# Altium PCB TruthEar.PcbDoc (part 2 of 2)
Units mm, origin at the board's own origin, x right, y up, seen from the top; angles counter-clockwise.
Board outline 104 x 110 mm, 2 copper layers (Top Layer, Bottom Layer); 142 components, 101 nets, 592 pads, 313 vias.
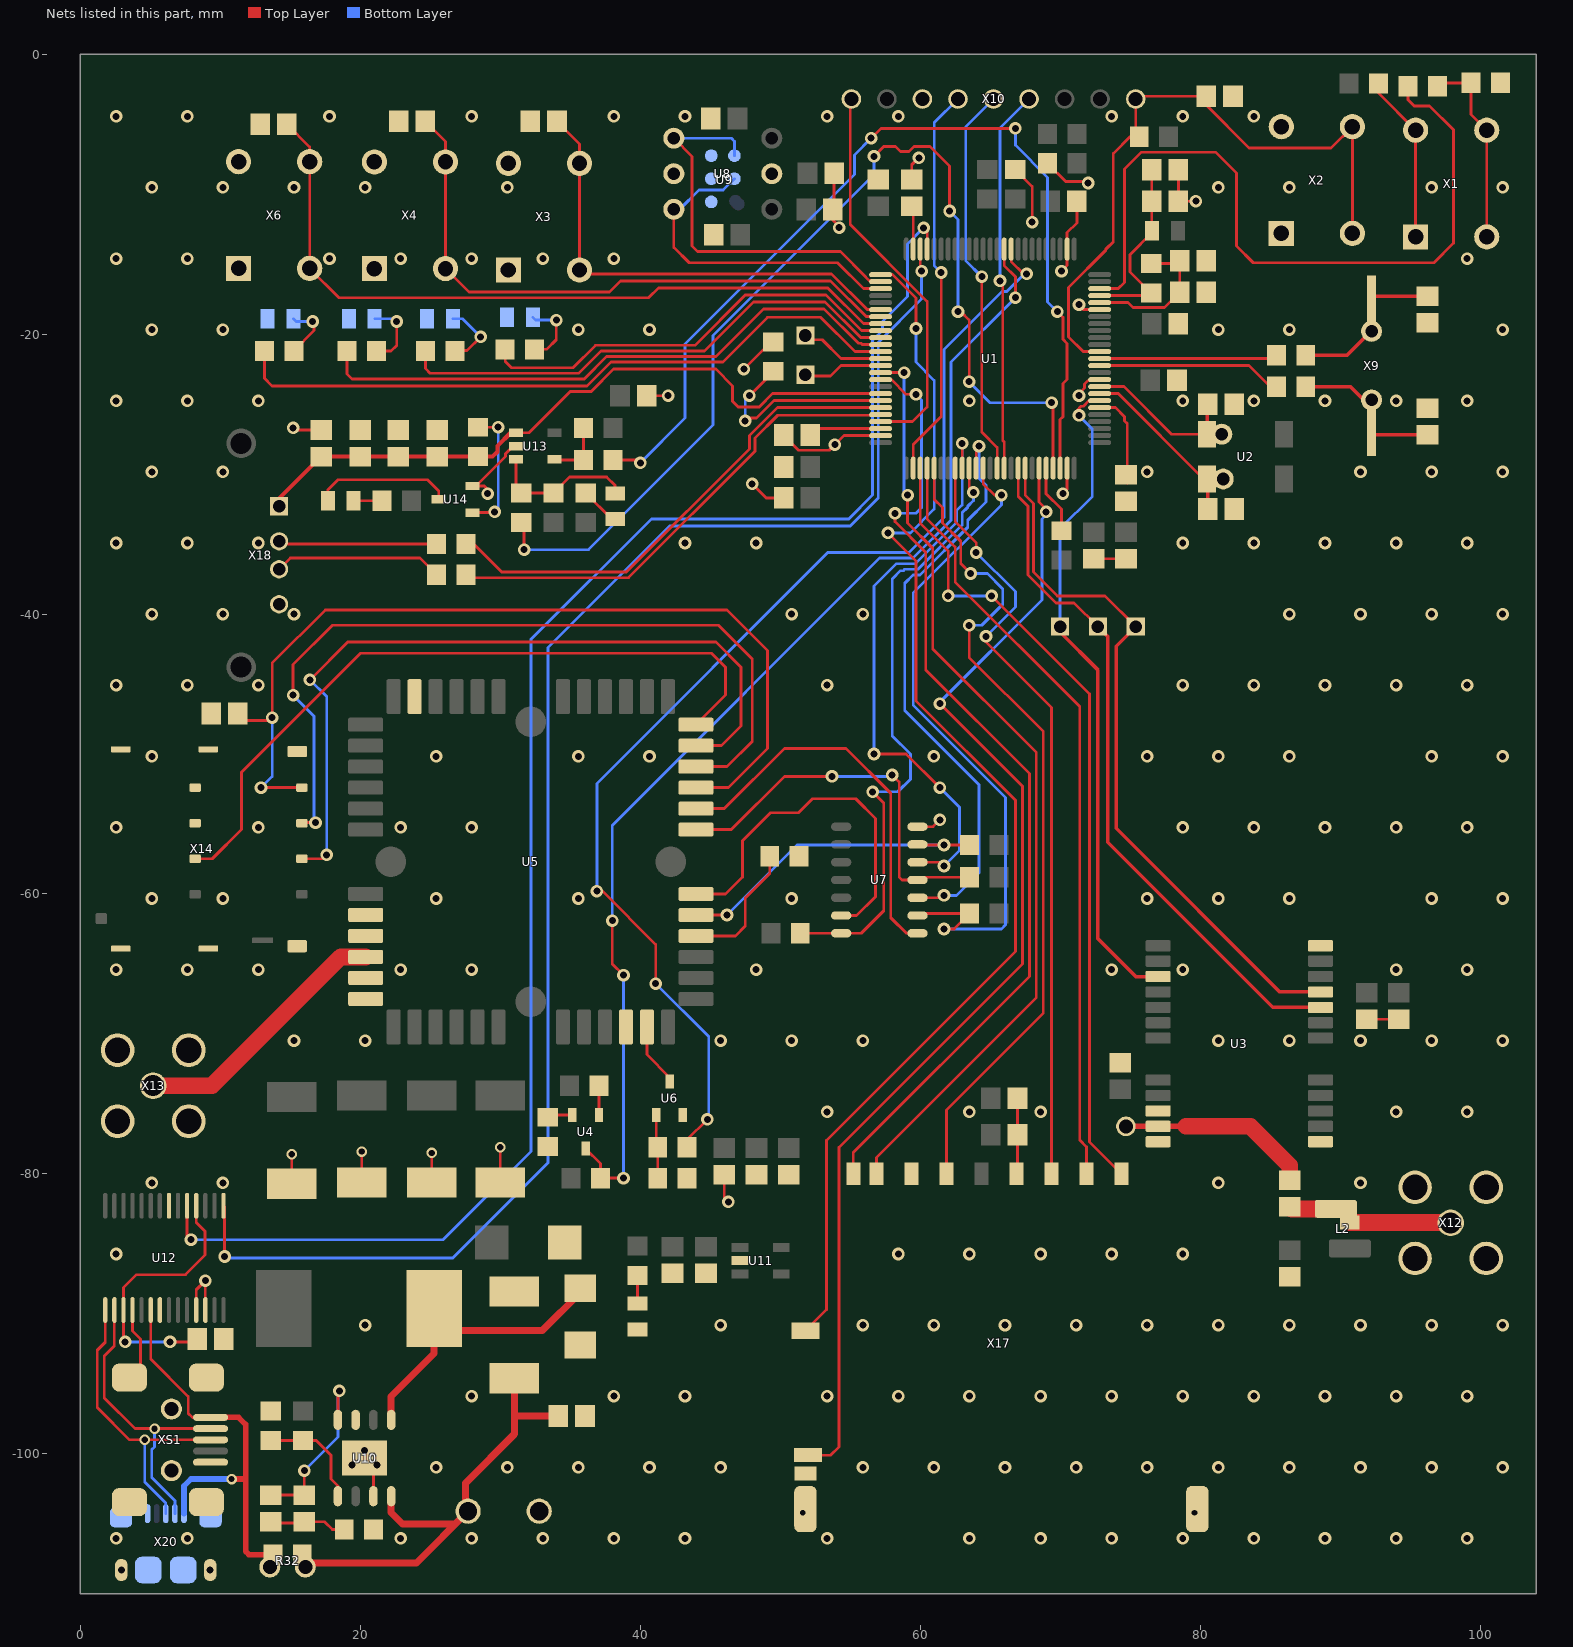
[diagram p2: the nets of this part, all layers, seen from the top]

## Via types
v1: diameter 0.9, hole 0.5, Top Layer to Bottom Layer, tented both sides, 302 vias
v2: diameter 0.75, hole 0.45, Top Layer to Bottom Layer, tented both sides, 4 vias
v3: diameter 1, hole 0.5, Top Layer to Bottom Layer, tented both sides, 3 vias
v4: diameter 0.75, hole 0.45, Top Layer to Bottom Layer, 3 vias
v5: diameter 0.9, hole 0.5, Top Layer to Bottom Layer, 1 vias

## Nets (pads, with @x,y where several pads share a name; then routed paths per layer and width w, separated by ;. In a path a pad name is that pad's centre, name@x,y a point inside that pad or via, vN(x,y) a via of type N, cw(c..) or ccw(c..) an arc to the next point about the centre after c; other vN are vias at no path point) (continued)
CPU_JTDI: U1.77 X10.6 | length 28.1
  Top Layer w0.2: U1.77@59.5,-29.575 59.5,-27.9 61.5,-25.9 v1(61.5,-15.6)
  Bottom Layer w0.2: v1(61.5,-15.6) 61,-15.1 61,-4.9 X10.6@62.7,-3.2
CPU_JTDO: U1.89 X10.5 | length 28.1
  Top Layer w0.2: v1(64.4,-15.9) 64.4,-27 65.5,-28.1 U1.89@65.5,-29.575
  Bottom Layer w0.2: v1(64.4,-15.9) 63.25,-14.75 63.25,-5.19 X10.5@65.24,-3.2
CPU_JTMS/SWDAT: U1.72 X10.9 | length 28.1
  Top Layer w0.2: X10.9@55.08,-3.2 55,-3.28 55,-12.166 60.5,-17.666 60.5,-25.2 59.45,-26.25 U1.72@57.175,-26.25
CPU_NJRST: U1.90 X10.4 | length 27.8
  Top Layer w0.2: v1(65.7,-16.2) 65.9,-16 65.9,-27.6 66,-27.7 U1.90@66,-29.575
  Bottom Layer w0.2: v1(65.7,-16.2) 65.7,-5.28 X10.4@67.78,-3.2
CPU_NRST: C1.1 R10.2 U1.14 X2.2 X2.4 X10.1 | length 48
  Top Layer w0.2: U1.14@72.825,-21.25 71.65,-21.25 70.6,-20.2 70.6,-16.666 73.26,-14.006 73.26,-13.94 73.8,-13.4 73.8,-7.1 75,-5.9 R10.2@75.65,-5.9 75.4,-5.65 X10.1@75.4,-3.2 75.6,-3 C1.1@80.45,-3 80.45,-3.65 83.5,-6.7 89.36,-6.7 X2.4@90.88,-5.18 X2.2@90.88,-12.8
DEBUG_RX: U1.48 U12.1 | length 113.7
  Top Layer w0.2: U12.1@10.225,-82.275 10.3,-82.35 v1(10.3,-85.9) ; U1.48@60,-13.925 60,-15.6 v1(60.1,-15.5)
  Bottom Layer w0.2: v1(10.3,-85.9) 10.4,-86 26.6,-86 33.4,-79.2 33.4,-42.4 42.1,-33.7 55,-33.7 57,-31.7 57,-20.6 60.1,-17.5 v1(60.1,-15.5)
DEBUG_TX: U1.47 U12.5 | length 117.2
  Top Layer w0.2: U12.5@7.625,-82.275 7.625,-84.425 v1(7.9,-84.7) ; v1(60.25,-12.4) 60.5,-12.4 U1.47@60.5,-13.925
  Bottom Layer w0.2: v1(7.9,-84.7) 25.9,-84.7 32.2,-78.4 32.2,-41.8 40.8,-33.2 54.9,-33.2 56.6,-31.5 56.6,-20.434 57.3,-19.734 57.3,-19.1 59.1,-17.3 59.1,-13.55 v1(60.25,-12.4) v1@60.3,-12.4
GND: C1.2 C2.2 C3.2 C4.2 C5.2 C6.2 C7.2 C8.2 C9.2 C10.2 C11.2 C12.2 C13.2 C14.2 C15.2 C16.2 C17.2 C18.2 C19.1 C20.1 C21.2 C22.2 C23.2 C25.1 C26.2 C27.2 C28.2 C29.2 C30.2 C31.2 C32.2 C33.2 C34.2 C35.2 C36.2 C37.2 C38.2 C41.2 C42.2 C43.2 C44.2 C45.2 C46.2 C47.2 C48.2 C49.2 C50.2 C51.2 C52.2 C53.2 C54.2 C55.2 D1.1 D2.1 D3.1 D4.1 D5.2 D6.1 R3.1 R4.1 R14.2 R17.1 R20.1 R23.2 R27.1 R29.2 R31.2 U1.10 U1.20 U1.27 U1.74 U1.99 U3.10 U3.12 U3.13 U3.24 U5.23 U5.32 U5.33 U5.35 U5.36 U5.46 U6.2 U7.7 U8.2 U8.5 U9.1 U9.2 U9.3 U10.3 U10.7 U10.9 U11.2 U12.7 U12.18 U12.21 U12.25 U12.26 U13.2 U14.2 X2.1 X2.3 X3.1 X3.3 X4.1 X4.3 X6.1 X6.3 X10.7 X12.1 X12.2 X12.3 X12.4 X13.1 X13.2 X13.3 X13.4 X14.C5 X14.C6 X14.GND1 X14.GND2 X14.GND3 X14.GND4 X14.GND5 X14.GND6 X16.2 X17.3 X17.6 X17.12 X17.13 X17.14 X18.4 X20.5 X20.6 X20.7 X20.8 X20.9 X20.10 X20.11 XS1.5 XS1.6 XS1.7 XS1.8 XS1.9 XS1.10 XS1.11 | length 88.9
  Top Layer w0.2: XS1.8@3.5,-94.55 4.3,-93.75 4.3,-91.8 3.725,-91.225 U12.18@3.725,-89.725 ; U12.25@8.275,-89.725 8.275,-88.275 v1(8.925,-87.625) U12.26@8.925,-89.725 ; C32.2@15.1,-80.7 v2(15.1,-78.6) ; v1(15.2,-26.7) 15.2,-26.8 15.25,-26.85 C50.2@17.2,-26.85 ; C29.2@20.1,-80.6 v2(20.1,-78.4) ; U10.9@20.3,-100.3 20.935,-100.935 U10.7@20.935,-103.025 ; C30.2@25.1,-80.6 v2(25.1,-78.5) ; U14.2@28,-30.85 U14.2@28.275,-30.85 ; v1(29.1,-31.4) 29.2,-31.4 29.3,-31.3 28.85,-30.85 U14.2@28.275,-30.85 ; C31.2@30,-80.6 v2(30,-78.1) ; U13.2@31.125,-28 30.921,-28 30.375,-28.546 30.375,-28.75 U14.2@28.275,-30.85 ; C55.2@40.45,-24.4 v1(42,-24.4) ; C43.2@46,-80.05 46,-81.7 v1(46.3,-82) ; v1(47.4,-22.5) 49.35,-20.55 R4.1@49.5,-20.55 ; v1(48,-30.7) 49,-31.7 C11.2@50.25,-31.7 ; C17.2@50.25,-27.2 50.25,-27.25 51.3,-28.3 53.5,-28.3 v5(53.9,-27.9) 54.55,-27.25 U1.74@57.175,-27.25 ; C34.2@53.85,-8.5 53.85,-11 C33.2@53.75,-11.1 53.75,-11.85 54.4,-12.5 54.1,-12.5 v1(54.213,-12.387) ; C18.2@59.4,-8.95 59.4,-7.9 v1(59.9,-7.4) v1@60,-7.3 ; U7.7@59.804,-55.19 60.91,-55.19 v1(61.4,-54.7) ; R17.1@66.8,-8.25 68,-9.45 v1(68,-12) ; X17.3@66.88,-80 66.95,-79.93 C51.2@66.95,-77.2 C52.2@66.95,-74.6 ; R14.2@69.1,-7.8 70.4,-9.1 v1@72,-9.1 ; v1(70.1,-15.5) 70.5,-15.1 U1.27@70.5,-13.925 70.5,-12.75 71.2,-12.05 C7.2@71.2,-10.5 ; v1(70.2,-31.4) 70.5,-31.1 U1.99@70.5,-29.575 ; v1@71.1,-24.4 v1@71.2,-24.4 ; v1(71.35,-24.4) v1@71.2,-24.4 ; v1@71.4,-17.9 v1(71.35,-17.9) 71.3,-17.9 71.65,-18.25 U1.20@72.825,-18.25 ; v1(72,-9.2) v1@72,-9.1 ; v1@72.3,-9.1 v1@72,-9.1 ; C10.2@72.4,-36.05 C13.2@74.7,-36.05 ; U1.10@72.825,-23.25 72.75,-23.325 71.999,-23.325 71.75,-23.574 71.75,-23.85 v1@71.2,-24.4 ; C20.1@78.45,-8.25 C19.1@78.45,-10.5 v1(79.7,-10.5) 79.865,-10.5 v1@79.992,-10.627 ; C28.2@91.9,-68.95 C27.2@94.2,-68.95
  other v1: 2.56,-106.04 7.64,-106.04 22.88,-106.04 27.96,-106.04 33.04,-106.04 38.12,-106.04 43.2,-106.04 53.36,-106.04 63.52,-106.04 68.6,-106.04 73.68,-106.04 78.76,-106.04 83.84,-106.04 88.92,-106.04 94,-106.04 99.08,-106.04 25.42,-100.96 30.5,-100.96 35.58,-100.96 40.66,-100.96 45.74,-100.96 55.9,-100.96 60.98,-100.96 66.06,-100.96 71.14,-100.96 76.22,-100.96 81.3,-100.96 86.38,-100.96 91.46,-100.96 96.54,-100.96 101.62,-100.96 27.96,-95.88 38.12,-95.88 43.2,-95.88 53.36,-95.88 58.44,-95.88 63.52,-95.88 68.6,-95.88 73.68,-95.88 78.76,-95.88 83.84,-95.88 88.92,-95.88 94,-95.88 99.08,-95.88 20.34,-90.8 45.74,-90.8 55.9,-90.8 60.98,-90.8 66.06,-90.8 71.14,-90.8 76.22,-90.8 81.3,-90.8 86.38,-90.8 91.46,-90.8 96.54,-90.8 101.62,-90.8 2.56,-85.72 58.44,-85.72 63.52,-85.72 68.6,-85.72 73.68,-85.72 78.76,-85.72 5.1,-80.64 10.18,-80.64 81.3,-80.64 91.46,-80.64 53.36,-75.56 63.52,-75.56 68.6,-75.56 94,-75.56 99.08,-75.56 15.26,-70.48 20.34,-70.48 45.74,-70.48 50.82,-70.48 55.9,-70.48 81.3,-70.48 86.38,-70.48 91.46,-70.48 96.54,-70.48 101.62,-70.48 2.56,-65.4 7.64,-65.4 12.72,-65.4 22.88,-65.4 27.96,-65.4 48.28,-65.4 73.68,-65.4 78.76,-65.4 94,-65.4 99.08,-65.4 5.1,-60.32 10.18,-60.32 25.42,-60.32 35.58,-60.32 50.82,-60.32 76.22,-60.32 81.3,-60.32 86.38,-60.32 96.54,-60.32 101.62,-60.32 2.56,-55.24 12.72,-55.24 22.88,-55.24 27.96,-55.24 78.76,-55.24 83.84,-55.24 88.92,-55.24 94,-55.24 99.08,-55.24 5.1,-50.16 25.42,-50.16 35.58,-50.16 40.66,-50.16 60.98,-50.16 76.22,-50.16 81.3,-50.16 86.38,-50.16 96.54,-50.16 101.62,-50.16 2.56,-45.08 7.64,-45.08 12.72,-45.08 53.36,-45.08 78.76,-45.08 83.84,-45.08 88.92,-45.08 94,-45.08 99.08,-45.08 5.1,-40 10.18,-40 15.26,-40 50.82,-40 55.9,-40 86.38,-40 91.46,-40 96.54,-40 101.62,-40 2.56,-34.92 7.64,-34.92 12.72,-34.92 43.2,-34.92 48.28,-34.92 78.76,-34.92 83.84,-34.92 88.92,-34.92 94,-34.92 99.08,-34.92 5.1,-29.84 10.18,-29.84 76.22,-29.84 91.46,-29.84 96.54,-29.84 101.62,-29.84 2.56,-24.76 7.64,-24.76 12.72,-24.76 63.52,-24.76 78.76,-24.76 83.84,-24.76 88.92,-24.76 94,-24.76 99.08,-24.76 5.1,-19.68 10.18,-19.68 35.58,-19.68 40.66,-19.68 81.3,-19.68 86.38,-19.68 101.62,-19.68 2.56,-14.6 7.64,-14.6 17.8,-14.6 22.88,-14.6 27.96,-14.6 33.04,-14.6 38.12,-14.6 99.08,-14.6 5.1,-9.52 10.18,-9.52 15.26,-9.52 20.34,-9.52 30.5,-9.52 81.3,-9.52 86.38,-9.52 96.54,-9.52 101.62,-9.52 2.56,-4.44 7.64,-4.44 17.8,-4.44 27.96,-4.44 38.12,-4.44 43.2,-4.44 53.36,-4.44 58.44,-4.44 73.68,-4.44 78.76,-4.44 83.84,-4.44
  other v3: 19.4,-100.8 21.2,-100.8 20.3,-99.75
GPS_1PPS: U1.7 U3.3 X5.1 | length 47.9
  Top Layer w0.2: v1(71.35,-25.8) 71.2,-25.8 71.2,-25.45 71.5,-25.15 71.661,-25.15 72.061,-24.75 U1.7@72.825,-24.75
  Top Layer w0.254: X5.1@70,-40.9 70,-41.3 72.7,-44 72.7,-63.2 75.4,-65.9 U3.3@77,-65.9
  Bottom Layer w0.2: X5.1@70,-40.9 70,-33.9 72.3,-31.6 72.3,-26.8 v1@71.3,-25.8 ; v1@71.2,-25.8 v1@71.3,-25.8 ; v1(71.35,-25.8) v1@71.3,-25.8
GPS_RX: U1.93 U3.21 X19.1 | length 51
  Top Layer w0.2: U1.93@67.5,-29.575 67.5,-31.5 68.1,-32.1 68.1,-37 69.8,-38.7 73.2,-38.7 X19.1@75.4,-40.9
  Top Layer w0.254: X19.1@75.4,-40.9 74,-42.3 74,-55.3 85.7,-67 U3.21@88.6,-67
GPS_TX: U1.92 U3.20 X15.1 | length 50.2
  Top Layer w0.2: U1.92@67,-29.575 67.004,-29.579 67.004,-31.604 67.7,-32.3 67.7,-37.2 69.7,-39.2 71,-39.2 X15.1@72.7,-40.9
  Top Layer w0.254: X15.1@72.7,-40.9 73.4,-41.6 73.4,-56.3 85.2,-68.1 U3.20@88.6,-68.1
GSM_CTS: R22.1 U1.85 U7.14 | length 44.5
  Top Layer w0.2: R22.1@51.429,-62.8 51.439,-62.81 U7.14@54.354,-62.81 55.79,-62.81 57.4,-61.2 57.4,-53.5 v1(56.6,-52.7) ; U1.85@63.5,-29.575 63.5,-31 v1(63.8,-31.3)
  Bottom Layer w0.2: v1(56.6,-52.7) 58.4,-52.7 59.3,-51.8 59.3,-50 58,-48.7 58,-37.5 58.6,-36.9 58.8,-36.9 58.9,-36.8 59.831,-36.8 63,-33.631 63,-32.766 63.4,-32.366 63.4,-32.3 63.8,-31.9 v1(63.8,-31.3)
GSM_POWER_OK: R18.1 U1.36 U4.3 | length 84.6
  Top Layer w0.2: U4.3@36.1,-78.2 37.15,-79.25 R18.1@37.15,-80.3 v1(38.8,-80.3) ; v1(38,-61.9) 38,-65 v1(38.8,-65.8) ; U1.36@66,-13.925 66,-15.1 66.8,-15.9 v1(66.8,-17.4)
  Bottom Layer w0.2: v1(38,-61.9) 38,-55.1 57.1,-36 59.5,-36 62.2,-33.3 62.2,-22 v1(66.8,-17.4) ; v1(38.8,-80.3) v1(38.8,-65.8)
GSM_RESET: R26.1 U1.35 | length 85.8
  Top Layer w0.2: v1(36.9,-59.8) 37.3,-59.8 41.1,-63.6 v1(41.1,-66.4) ; R26.1@43.35,-78.1 43.35,-77.55 v1(44.8,-76.1) ; U1.35@66.5,-13.925 66.5,-14.8 v1@67.4,-15.7 ; v1(67.6,-15.7) v1@67.4,-15.7 ; v1@67.6,-15.9 v1@67.4,-15.7
  Bottom Layer w0.2: v1(36.9,-59.8) 36.9,-52.1 53.4,-35.6 59.2,-35.6 61.7,-33.1 61.7,-21.1 65.85,-16.95 66.189,-16.95 67.439,-15.7 v1(67.6,-15.7) ; v1(41.1,-66.4) 44.9,-70.2 44.9,-76.2 v1(44.8,-76.1)
GSM_RTS: U1.84 U7.5 | length 41.7
  Top Layer w0.2: v1(56.7,-50) 59,-50 v1(61.4,-52.4) ; U7.5@59.804,-57.73 61.43,-57.73 v1(61.7,-58) ; U1.84@63,-29.575 v1(63,-27.8)
  Bottom Layer w0.2: v1(56.7,-50) 56.7,-38 58.3,-36.4 59.666,-36.4 62.6,-33.466 62.6,-32.6 63,-32.2 v1(63,-27.8) ; v1(61.4,-52.4) 62.8,-53.8 62.8,-56.9 v1(61.7,-58)
GSM_RX: R21.1 U1.87 U7.2 | length 49.4
  Top Layer w0.2: U7.2@59.804,-61.54 59.944,-61.4 R21.1@63.529,-61.4 62.429,-62.5 v1(61.7,-62.5) ; U1.87@64.5,-29.575 64.5,-30.7 65.3,-31.5 v1(65.8,-31.5)
  Bottom Layer w0.2: v1(61.7,-62.5) 65.8,-62.5 66.1,-62.2 66.1,-53.1 59.5,-46.5 59.5,-38.5 65.8,-32.2 v1(65.8,-31.5)
GSM_TX: U1.86 U7.3 | length 42.6
  Top Layer w0.2: U7.3@59.804,-60.27 61.53,-60.27 v1(61.7,-60.1) ; U1.86@64,-29.575 64,-28.2 v1(64.2,-28)
  Bottom Layer w0.2: v1@61.5,-60.1 v1(61.7,-60.1) 62.6,-60.1 64.2,-58.5 64.2,-52.2 58.9,-46.9 58.9,-37.8 59.5,-37.2 59.997,-37.2 63.4,-33.797 63.4,-33.3 64.7,-32 64.7,-30.8 64.2,-30.3 v1(64.2,-28)
MIC_CLK: U1.52 U8.3 U9.4 | length 28.2
  Top Layer w0.2: U8.3@42.4,-6 43.7,-7.3 43.7,-13.7 44.1,-14.1 54.3,-14.1 56.1,-15.9 56.1,-15.926 56.349,-16.175 57.1,-16.175 U1.52@57.175,-16.25
  Bottom Layer w0.2: U8.3@42.4,-6 46.5,-6 46.725,-6.225 U9.4@46.725,-7.25
MIC_DATA_R: U1.53 U8.1 U9.5 | length 23.9
  Top Layer w0.2: U8.1@42.4,-11.08 42.4,-13.8 43.5,-14.9 54.1,-14.9 55.95,-16.75 U1.53@57.175,-16.75
  Bottom Layer w0.2: U8.1@42.4,-11.08 42.82,-11.08 44.2,-9.7 45.925,-9.7 U9.5@46.725,-8.9
MOD_CTS_OUT: U5.6 U7.13 | length 26.3
  Top Layer w0.2: U5.6@43.979,-60 46.1,-60 47.3,-58.8 47.3,-56.2 49.3,-54.2 51.3,-54.2 52.3,-53.2 55.4,-53.2 56.8,-54.6 56.8,-60.2 55.46,-61.54 U7.13@54.354,-61.54
MOD_RTS_IN: R25.1 U5.5 U7.6 | length 23.5
  Top Layer w0.2: U5.5@43.979,-61.5 v1(46.2,-61.5) ; U7.6@59.804,-56.46 59.844,-56.5 v1(61.7,-56.5) R25.1@63.529,-56.5
  Bottom Layer w0.2: v1(46.2,-61.5) 51.2,-56.5 v1(61.7,-56.5)
MOD_RX_OUT: U5.8 U7.1 | length 28.3
  Top Layer w0.2: U5.8@43.979,-53.9 46,-53.9 50.3,-49.6 54.7,-49.6 57.9,-52.8 57.9,-61.7 59.01,-62.81 U7.1@59.804,-62.81
MOD_TX_IN: R24.1 U5.7 U7.4 | length 28.3
  Top Layer w0.2: U5.7@43.979,-55.4 46.5,-55.4 50.3,-51.6 v1(53.7,-51.6) ; v1(58,-51.5) 58.5,-52 58.5,-58.8 58.7,-59 U7.4@59.804,-59 60.004,-58.8 R24.1@63.529,-58.8
  Bottom Layer w0.2: v1(53.7,-51.6) 57.9,-51.6 v1(58,-51.5)
NetC5_1: C5.1 R6.2 X9.2 | length 11.3
  Top Layer w0.254: R6.2@87.55,-23.75 90.75,-23.75 92.25,-25.25 92.25,-27.2 C5.1@96.25,-27.2
NetC6_1: C6.1 R7.2 X9.1 | length 11.9
  Top Layer w0.254: R7.2@87.55,-21.5 90.5,-21.5 92.25,-19.75 92.25,-17.3 C6.1@96.25,-17.3
NetC15_1: C15.1 C16.1 R15.2 U1.21 | length 10.7
  Top Layer w0.2: U1.21@72.825,-17.75 74.85,-17.75 75.2,-18.1 77.45,-18.1 C16.1@78.55,-17 C15.1@78.55,-14.75 78.35,-14.95 R15.2@76.5,-14.95
NetC17_1: C17.1 U1.73 | length 5.1
  Top Layer w0.2: C17.1@52.15,-26.9 52.3,-26.75 U1.73@57.175,-26.75
NetC18_1: C18.1 U1.49 | length 3.1
  Top Layer w0.2: C18.1@59.4,-10.85 59.5,-10.95 U1.49@59.5,-13.925
NetC19_2: C19.2 C20.2 L1.2 R15.1 U1.22 | length 13.8
  Top Layer w0.2: U1.22@72.825,-17.25 76.3,-17.25 R15.1@76.5,-17.05 75,-15.55 75,-14.325 76.575,-12.75 76.55,-12.725 C19.2@76.55,-10.5 C20.2@76.55,-8.25
NetC21_1: C21.1 U1.6 | length 6.9
  Top Layer w0.2: U1.6@72.825,-25.25 73.95,-25.25 74.6,-25.9 74.6,-26.2 74.8,-26.4 C21.1@74.8,-30.65
NetC24_1: C24.1 L2.1 X12.5 | length 10.6
  Top Layer w1.2: C24.1@86.4,-82.35 86.55,-82.5 L2.1@89.7,-82.5 ; L2.1@90.7,-83.475 97.875,-83.475 X12.5@97.9,-83.5
NetC24_2: C24.2 U3.11 X11.1 | length 13.9
  Top Layer w0.4: X11.1@74.7,-76.6 U3.11@77,-76.6 79,-76.6
  Top Layer w1.2: 79,-76.6 83.6,-76.6 86.4,-79.4 C24.2@86.4,-80.45
NetC38_1: C38.1 C53.1 R32.2 U10.8 X16.1 | length 35.3
  Top Layer w0.5: R32.2@15.85,-107.2 16.45,-107.8 24,-107.8 X16.1@27.7,-104.1 26.8,-105 23,-105 22.205,-104.205 U10.8@22.205,-103.025 ; X16.1@27.5,-104.3 27.5,-102.1 31,-98.6 31,-97.2 ; C38.1@31,-94.6 31,-97.2 ; C53.1@34.15,-97.3 31.1,-97.3 31,-97.2
NetC39_1: C39.1 C40.1 U10.4 | length 13
  Top Layer w0.2: C40.1@13.6,-103.05 13.7,-102.95 C39.1@16,-102.95 v1(16,-101.2) ; U10.4@18.395,-97.575 18.395,-95.605 v1(18.5,-95.5)
  Bottom Layer w0.2: v1(16,-101.2) 18.4,-98.8 18.4,-95.6 v1(18.5,-95.5)
NetC39_2: C39.2 C40.2 R31.1 | length 5.5
  Top Layer w0.2: C40.2@13.6,-104.95 15.9,-104.95 C39.2@16,-104.85 17.45,-104.85 18,-105.4 R31.1@18.85,-105.4
NetC46_1: C46.1 U12.4 U12.17 | length 19.6
  Top Layer w0.2: v1(3.2,-92) 3.075,-91.875 U12.17@3.075,-89.725 3.075,-88.125 4,-87.2 7.5,-87.2 8.9,-85.8 8.9,-84.1 8.275,-83.475 U12.4@8.275,-82.275 ; v1(6.4,-92) C46.1@8.35,-92
  Bottom Layer w0.2: v1(3.2,-92) v1(6.4,-92)
NetD1_2: D1.2 R5.1 | length 5
  Top Layer w0.2: R5.1@32.45,-21.1 32.425,-21.075 33.325,-21.075 34,-20.4 v1(34,-19)
  Bottom Layer w0.2: D1.2@32.325,-18.8 32.525,-19 v1(34,-19)
NetD2_2: D2.2 R9.1 | length 4.8
  Top Layer w0.2: R9.1@26.75,-21.2 26.725,-21.175 27.625,-21.175 v1(28.6,-20.2)
  Bottom Layer w0.2: D2.2@26.625,-18.9 27.3,-18.9 v1(28.6,-20.2)
NetD3_2: D3.2 R11.1 | length 5.2
  Top Layer w0.2: R11.1@21.225,-21.125 R11.1@21.15,-21.2 22.2,-21.2 22.6,-20.8 v1(22.6,-19.1) v1@22.6,-19
  Bottom Layer w0.2: D3.2@21.025,-18.9 22.4,-18.9 v1(22.6,-19.1)
NetD4_2: D4.2 R13.1 | length 4.4
  Top Layer w0.2: R13.1@15.225,-21.175 R13.1@15.25,-21.2 16.7,-19.75 16.7,-19 v1(16.6,-19.1)
  Bottom Layer w0.2: D4.2@15.225,-18.9 15.425,-19.1 v1(16.6,-19.1)
NetD5_1: D5.1 L3.1 U10.1 | length 21.8
  Top Layer w0.5: U10.1@22.205,-97.575 22.205,-95.895 25.275,-92.825 L3.1@25.275,-89.6 26.875,-91.2 33,-91.2 35.7,-88.5 D5.1@35.7,-88.175
NetD6_2: D6.2 R28.1 | length 2
  Top Layer w0.2: D6.2@39.8,-89.275 R28.1@39.8,-87.25
NetD7_1: D7.1 R36.1 R39.2 U13.3 | length 10.6
  Top Layer w0.2: U13.3@31.125,-28.95 31.125,-30.975 R39.2@31.5,-31.35 R36.1@33.8,-31.35 34.95,-30.2 37.6,-30.2 38.2,-30.8 D7.1@38.2,-31.375
NetD7_2: D7.2 R35.1 | length 2.9
  Top Layer w0.2: R35.1@36.1,-31.35 37.975,-33.225 D7.2@38.2,-33.225
NetD8_1: D8.1 U14.3 | length 9.9
  Top Layer w0.2: D8.1@17.675,-31.9 17.675,-31.125 18.4,-30.4 24.8,-30.4 25.6,-31.2 U14.3@25.6,-31.8
NetD8_2: D8.2 R42.1 | length 2
  Top Layer w0.2: D8.2@19.525,-31.9 R42.1@21.55,-31.9
NetR1_1: R1.1 R3.2 X1.2 X1.4 | length 13.9
  Top Layer w0.2: R1.1@96.95,-2.05 R3.2@99.35,-2.05 99.35,-4.3 X1.4@100.48,-5.43 X1.2@100.48,-13.05
NetR2_2: R2.2 X1.1 X1.3 | length 12
  Top Layer w0.2: R2.2@92.75,-2.1 92.75,-2.78 X1.3@95.4,-5.43 X1.1@95.4,-13.05
NetR4_2: R4.2 U1.69 | length 14.7
  Top Layer w0.2: v1(47.5,-26.2) 47.5,-26.1 47.6,-26.1 47.7,-26 48.3,-26 49.55,-24.75 U1.69@57.175,-24.75 ; v1(47.8,-24.4) 49.5,-22.7 R4.2@49.5,-22.65
  Bottom Layer w0.2: v1(47.5,-26.2) 47.5,-24.7 v1(47.8,-24.4)
NetR6_1: R6.1 U1.12 | length 13.2
  Top Layer w0.2: U1.12@72.825,-22.25 83.5,-22.25 85,-23.75 R6.1@85.45,-23.75
NetR7_1: R7.1 U1.13 | length 12.7
  Top Layer w0.2: U1.13@72.825,-21.75 85.2,-21.75 R7.1@85.45,-21.5
NetR8_1: R8.1 U1.96 | length 4.9
  Top Layer w0.2: U1.96@69,-29.575 69,-31.4 70.1,-32.5 R8.1@70.1,-34.05
NetR19_1: R19.1 U4.1 | length 2.1
  Top Layer w0.2: U4.1@37.05,-75.8 R19.1@37.05,-73.7
NetR20_2: R20.2 U4.2 | length 2.3
  Top Layer w0.2: R20.2@32.85,-75.8 U4.2@35.15,-75.8
NetR23_1: R23.1 U5.4 | length 9.6
  Top Layer w0.2: U5.4@43.979,-63 46.8,-63 47.5,-62.3 47.5,-60.3 49.25,-58.55 R23.1@49.25,-57.3 R23.1@49.25,-57.25
NetR26_2: R26.2 R27.2 U6.1 | length 4.5
  Top Layer w0.2: U6.1@41.15,-75.8 41.15,-78 R26.2@41.25,-78.1 R27.2@41.25,-80.3
NetR29_1: R29.1 R30.2 U10.5 | length 7.9
  Top Layer w0.2: R29.1@13.6,-99.05 R30.2@15.9,-99.05 16.85,-99.05 17.9,-100.1 17.9,-101.8 18.395,-102.295 U10.5@18.395,-103.025
NetR32_1: R32.1 U12.20 X20.1 XS1.1 | length 30.6
  Top Layer w0.2: U12.20@5.025,-89.725 5.025,-93.225 7.7,-95.9 7.7,-97.1 8,-97.4 XS1.1@9.3,-97.4
  Top Layer w0.4: XS1.1@9.3,-97.4 11.3,-97.4 11.8,-97.9 11.8,-101.8 ; v4(10.8,-101.8) 11.8,-101.8 ; R32.1@13.75,-107.2 12.041,-107.2 11.8,-106.959 11.8,-101.8
  Bottom Layer w0.4: X20.1@7.4,-104.275 7.4,-102.3 7.9,-101.8 v4(10.8,-101.8)
NetR37_1: R37.1 R38.2 U13.4 | length 4.4
  Top Layer w0.2: U13.4@33.875,-28.95 33.925,-29 R38.2@35.95,-29 R37.1@35.95,-26.7
NetR38_1: R38.1 U1.98 | length 68.7
  Top Layer w0.2: R38.1@38.05,-29 39.8,-29 v1(40,-29.2) ; v1(56.5,-6) 57.2,-5.3 v1(66.8,-5.3) ; v1(69.8,-18.4) 70.2,-18.8 70.2,-20.366 70.5,-20.666 70.5,-23.234 70.2,-23.534 70.2,-25.9 70,-26.1 U1.98@70,-29.575
  Bottom Layer w0.2: v1(40,-29.2) 43.2,-26 43.2,-20.7 55.3,-8.6 55.3,-7.2 v1(56.5,-6) ; v1(66.8,-5.3) 66.8,-6.5 69.1,-8.8 69.1,-17.7 v1(69.8,-18.4)
NetR43_1: R43.1 U14.1 | length 9.2
  Top Layer w0.2: U14.1@28,-32.75 29.55,-32.75 v1(29.6,-32.7) ; R43.1@28.4,-26.65 v1(29.85,-26.65)
  Bottom Layer w0.2: v1(29.6,-32.7) 29.85,-32.45 v1(29.85,-26.65)
NetU1_63: U1.63 X7.1 | length 5.9
  Top Layer w0.2: X7.1@51.8,-20.4 53,-20.4 54.35,-21.75 U1.63@57.175,-21.75
NetU1_64: U1.64 X8.1 | length 5.7
  Top Layer w0.2: X8.1@51.8,-23 53.6,-23 54.35,-22.25 U1.64@57.175,-22.25
NetU5_34: U5.34 X13.5 | length 19
  Top Layer w1.2: X13.5@5.2,-73.7 9.4,-73.7 18.6,-64.5 U5.34@20.379,-64.5
NetU5_47: U5.47 U6.3 | length 4.6
  Top Layer w0.2: U5.47@40.479,-69.5 40.479,-71.479 42.1,-73.1 U6.3@42.1,-73.4
NetU12_15: U12.15 X20.3 XS1.3 | length 22.2
  Top Layer w0.2: U12.15@1.775,-89.725 1.775,-92.025 1.2,-92.6 1.2,-96.7 3.5,-99 v4(4.6,-99) XS1.3@9.3,-99
  Bottom Layer w0.2: v4(4.6,-99) 4.6,-102 6.1,-103.5 X20.3@6.1,-104.275
NetU12_16: U12.16 X20.2 XS1.2 | length 21.9
  Top Layer w0.2: U12.16@2.425,-89.725 2.425,-92.275 1.7,-93 1.7,-96 3.9,-98.2 v4(5.3,-98.2) XS1.2@9.3,-98.2
  Bottom Layer w0.2: v4(5.3,-98.2) 5.3,-99.5 5.1,-99.7 5.1,-101.7 6.75,-103.35 X20.2@6.75,-104.275
OSCI_LOW: C22.1 U1.8 U2.1 | length 12.4
  Top Layer w0.2: U1.8@72.825,-24.25 74.15,-24.25 U2.1@80.25,-30.35
  Top Layer w0.254: U2.1@80.25,-30.35 U2.1@80.5,-30.35 80.55,-30.4 C22.1@80.55,-32.5
OSCO_LOW: C23.1 U1.9 U2.4 | length 11.3
  Top Layer w0.2: U1.9@72.825,-23.75 74.55,-23.75 77.95,-27.15 U2.4@80.5,-27.15
  Top Layer w0.254: U2.4@80.5,-27.15 80.5,-25.05 C23.1@80.55,-25
OTG_DM: R40.1 U1.70 | length 35.9
  Top Layer w0.2: R40.1@27.55,-35 28.1,-35 30.1,-37 39,-37 47.8,-28.2 47.8,-27.256 49.806,-25.25 U1.70@57.175,-25.25
OTG_DM_C: R40.2 X18.2 | length 11.3
  Top Layer w0.2: X18.2@14.2,-34.8 14.4,-35 R40.2@25.45,-35
OTG_DP: R41.1 U1.71 | length 35.1
  Top Layer w0.2: R41.1@27.55,-37.2 27.75,-37.4 39.166,-37.4 48.2,-28.366 48.2,-27.421 49.821,-25.8 57.125,-25.8 U1.71@57.175,-25.75
OTG_DP_C: R41.2 X18.3 | length 12.1
  Top Layer w0.2: X18.3@14.2,-36.8 15,-36 24.25,-36 R41.2@25.45,-37.2
OTG_FAIL: R39.1 U1.97 | length 77.1
  Top Layer w0.2: R39.1@31.5,-33.45 31.7,-33.65 v1(31.7,-35.4) ; v1(56.7,-7.3) 57.4,-6.6 58.239,-6.6 58.589,-6.95 59.211,-6.95 59.561,-6.6 60.7,-6.6 62.1,-8 v1(62.1,-11.2) ; v1(62.7,-18.4) 62.9,-18.4 63.5,-19 v1(63.5,-23.4) ; v1(69.4,-24.9) 69.5,-25 U1.97@69.5,-29.575
  Bottom Layer w0.2: v1(31.7,-35.4) 36.3,-35.4 45.2,-26.5 45.2,-20.1 56.7,-8.6 v1(56.7,-7.3) ; v1(62.1,-11.2) 62.7,-11.8 v1(62.7,-18.4) ; v1(63.5,-23.4) 65,-24.9 v1(69.4,-24.9)
OTG_VBUS: C47.1 C48.1 C49.1 C50.1 R43.2 U1.68 U13.1 X18.1 | length 49.7
  Top Layer w0.2: U13.1@30.75,-27.05 U13.1@31.125,-27.05 32.05,-27.05 35,-24.1 36.5,-24.1 38.1,-22.5 45.4,-22.5 46.6,-23.7 46.6,-24.8 47,-25.2 48.5,-25.2 49.45,-24.25 U1.68@57.175,-24.25
  Top Layer w0.3: X18.1@14.2,-32.3 14.2,-31.75 C50.1@17.2,-28.75 C49.1@20,-28.75 C48.1@22.7,-28.75 C47.1@25.5,-28.75 R43.2@28.4,-28.75 29.45,-28.75 29.8,-28.4 29.8,-28 U13.1@30.75,-27.05
PD9: C2.1 U1.56 X3.2 X3.4 | length 34
  Top Layer w0.2: C2.1@34.05,-4.8 35.662,-6.412 X3.4@35.662,-7.797 X3.2@35.662,-15.417 35.945,-15.7 53.666,-15.7 56.216,-18.25 U1.56@57.175,-18.25
PD10: C3.1 U1.57 X4.2 X4.4 | length 44.3
  Top Layer w0.2: C3.1@24.65,-4.8 26.087,-6.237 X4.4@26.087,-7.697 X4.2@26.087,-15.317 27.77,-17 37.8,-17 38.6,-16.2 53.6,-16.2 56.15,-18.75 U1.57@57.175,-18.75
PD11: C4.1 U1.58 X6.2 X6.4 | length 54
  Top Layer w0.2: C4.1@14.75,-5 16.38,-6.63 X6.4@16.38,-7.68 X6.2@16.38,-15.3 18.48,-17.4 40.6,-17.4 41.3,-16.7 53.4,-16.7 55.95,-19.25 U1.58@57.175,-19.25
PD12: R5.2 U1.59 | length 31.1
  Top Layer w0.2: R5.2@30.35,-21.1 30.35,-21.95 30.8,-22.4 35.2,-22.4 36.8,-20.8 43.9,-20.8 47.5,-17.2 53.266,-17.2 55.816,-19.75 U1.59@57.175,-19.75
PD13: R9.2 U1.60 | length 37.1
  Top Layer w0.2: R9.2@24.65,-21.2 24.65,-22.45 25,-22.8 35.6,-22.8 37.2,-21.2 44.6,-21.2 48.1,-17.7 53.2,-17.7 55.75,-20.25 U1.60@57.175,-20.25
PD14: R11.2 U1.61 | length 43
  Top Layer w0.2: R11.2@19.05,-21.2 19.05,-22.85 19.4,-23.2 36,-23.2 37.6,-21.6 45.4,-21.6 48.8,-18.2 53.134,-18.2 55.584,-20.65 55.75,-20.65 55.85,-20.75 U1.61@57.175,-20.75
PD15: R13.2 U1.62 | length 49.2
  Top Layer w0.2: R13.2@13.15,-21.2 13.15,-23.15 13.7,-23.7 36.2,-23.7 37.9,-22 45.9,-22 49.1,-18.8 52.9,-18.8 55.35,-21.25 U1.62@57.175,-21.25
SD_CD: U1.51 X17.10 | length 89.8
  Top Layer w0.2: X17.10@51.8,-91.2 53.3,-89.7 53.3,-77.6 66.8,-64.1 66.8,-53.3 59.7,-46.2 59.7,-36.2 v1(57.7,-34.2) ; U1.51@57.175,-15.75 58.019,-15.75 59.7,-17.431 v1(59.7,-19.6)
  Bottom Layer w0.2: v1(57.7,-34.2) 59.3,-34.2 61,-32.5 61,-23.3 59.7,-22 v1(59.7,-19.6)
SD_CLK: U1.80 X17.5 | length 59.7
  Top Layer w0.2: U1.80@61,-29.575 61,-31.8 61.6,-32.4 61.6,-33.5 62.9,-34.8 62.9,-36.4 v1(63.6,-37.1) ; X17.5@61.87,-80 61.87,-75.43 68.8,-68.5 68.8,-48.4 63.5,-43.1 v1(63.5,-40.8)
  Bottom Layer w0.2: v1(63.5,-40.8) 64.4,-40.8 65.9,-39.3 65.9,-38.2 64.8,-37.1 v1(63.6,-37.1)
SD_CMD: U1.83 X17.2 | length 55
  Top Layer w0.2: U1.83@62.5,-29.575 62.5,-33.4 64,-34.9 v1(64,-35.6) ; v1(64.7,-41.6) 64.7,-42 69.38,-46.68 X17.2@69.38,-80
  Bottom Layer w0.2: v1(64,-35.6) 66.8,-38.4 66.8,-39.5 v1(64.7,-41.6)
SD_DAT0: U1.65 X17.7 | length 67.6
  Top Layer w0.2: X17.7@56.87,-80 56.87,-78.83 68.3,-67.4 68.3,-49.9 60.9,-42.5 60.9,-35.3 59.1,-33.5 v1(59.1,-31.5) ; U1.65@57.175,-22.75 v1(58.85,-22.75)
  Bottom Layer w0.2: v1(58.85,-22.75) 58.85,-31.25 v1(59.1,-31.5)
SD_DAT1: U1.66 X17.8 | length 69.7
  Top Layer w0.2: X17.8@55.22,-80 55.22,-78.48 67.8,-65.9 67.8,-51.4 60.4,-44 60.4,-35.6 58.2,-33.4 v1(58.2,-32.8) ; U1.66@57.175,-23.25 57.95,-23.25 59,-24.3 v1(59.7,-24.3)
  Bottom Layer w0.2: v1(58.2,-32.8) 59.7,-32.8 60.1,-32.4 60.1,-24.7 v1(59.7,-24.3)
SD_DAT2: U1.78 X17.9 | length 58.2
  Top Layer w0.2: U1.78@60,-29.575 60,-33.5 62,-35.5 v1(62,-38.7) ; v1(65.1,-38.7) 72.1,-45.7 72.1,-77.72 X17.9@74.38,-80
  Bottom Layer w0.2: v1(62,-38.7) v1(65.1,-38.7)
SD_DAT3: U1.79 X17.1 | length 55.1
  Top Layer w0.2: U1.79@60.5,-29.575 60.5,-33.2 62.5,-35.2 62.5,-37.7 71.4,-46.6 71.4,-77.586 71.88,-78.066 X17.1@71.88,-80
SD_WP: U1.95 X17.11 | length 83.8
  Top Layer w0.2: X17.11@52,-100.1 53.6,-100.1 54.2,-99.5 54.2,-78.1 67.3,-65 67.3,-52.3 v1(61.4,-46.4) ; U1.95@68.5,-29.575 68.5,-32 69.1,-32.6 v1(69,-32.7)
  Bottom Layer w0.2: v1(61.4,-46.4) 61.4,-46.3 68.7,-39 68.7,-33.2 69.1,-32.8 v1(69,-32.7)
SIM_CLOCK: U5.11 X14.C3 | length 55.6
  Top Layer w0.2: X14.C3@15.82,-57.48 17.32,-57.48 v1(17.6,-57.2) ; v1(16.4,-44.7) 19.1,-42 45.4,-42 47.2,-43.8 47.2,-48 45.8,-49.4 U5.11@43.979,-49.4
  Bottom Layer w0.2: v1(16.4,-44.7) 17.6,-45.9 v1(17.6,-57.2)
SIM_IO: U5.12 X14.C7 | length 51.8
  Top Layer w0.2: X14.C7@8.2,-57.48 9.42,-57.48 11.5,-55.4 11.5,-51.3 20,-42.8 45.1,-42.8 46.1,-43.8 46.1,-45.779 U5.12@43.979,-47.9
SIM_RESET: U5.10 X14.C2 | length 58.6
  Top Layer w0.2: v1(15.2,-45.8) 15.2,-43.6 18,-40.8 45.6,-40.8 48,-43.2 48,-49.1 46.2,-50.9 U5.10@43.979,-50.9 ; X14.C2@15.82,-54.9 v1(16.8,-54.9)
  Bottom Layer w0.2: v1(15.2,-45.8) 16.7,-47.3 16.7,-54.8 v1(16.8,-54.9)
SIM_VCC: C54.1 U5.9 X14.C1 | length 66.1
  Top Layer w0.2: C54.1@11.25,-47.6 13.5,-47.6 v1(13.7,-47.4) 13.7,-43.5 17.5,-39.7 46.2,-39.7 49.1,-42.6 49.1,-49.6 46.3,-52.4 U5.9@43.979,-52.4 ; v1(12.9,-52.4) X14.C1@15.82,-52.4
  Bottom Layer w0.2: v1(12.9,-52.4) 13.7,-51.6 v1(13.7,-47.4)
WAKE_UP: R1.2 U1.23 | length 54.4
  Top Layer w0.2: U1.23@72.825,-16.75 74.15,-16.75 74.6,-16.3 74.6,-8.2 75.8,-7 81.1,-7 82.6,-8.5 82.6,-13.7 83.8,-14.9 96.7,-14.9 98.1,-13.5 98.1,-5.4 96.4,-3.7 95.3,-3.7 94.85,-3.25 R1.2@94.85,-2.05
pads on no net: U1.1 U1.2 U1.3 U1.4 U1.5 U1.15 U1.16 U1.17 U1.18 U1.24 U1.25 U1.26 U1.29 U1.30 U1.31 U1.32 U1.33 U1.34 U1.38 U1.39 U1.40 U1.41 U1.42 U1.43 U1.44 U1.45 U1.46 U1.54 U1.55 U1.67 U1.81 U1.82 U1.88 U1.91 U2.2 U2.3 U3.1 U3.2 U3.4 U3.5 U3.6 U3.7 U3.8 U3.14 U3.15 U3.16 U3.17 U3.18 U3.19 U5.1 U5.2 U5.3 U5.13 U5.14 U5.15 U5.16 U5.17 U5.18 U5.19 U5.20 U5.21 U5.22 U5.24 U5.25 U5.26 U5.27 U5.29 U5.30 U5.31 U5.39 U5.40 U5.41 U5.42 U5.44 U5.45 U5.48 U5.49 U5.50 U5.51 U5.52 U7.9 U7.10 U7.11 U7.12 U8.4 U10.2 U10.6 U11.4 U12.2 U12.3 U12.6 U12.8 U12.9 U12.10 U12.11 U12.12 U12.13 U12.14 U12.19 U12.22 U12.23 U12.24 U12.27 U12.28 X14.C4 X14.C8 X14.D0 X14.D1 X18.5 X18.6 X20.4 XS1.4

## Polygon pours and split planes (outlines as drawn)
GND on Bottom Layer "Top Layer-No Net" (solid, pour order 0): 1,-109 1,-1 103,-1 103,-109
GND on Top Layer "Top Layer-No Net" (solid, remove dead copper, pour order 2): 1,-1 103,-1 103,-109 1,-109

## Silkscreen, mask and mechanical layers (free items; w line width, h text height)
Mechanical 8:
  lines w0.3: 8.6,-79.2 8.8,-80.7 8.9,-82.1 ; 9.6,-82.3 9.6,-80.3
  lines w0.5: 72.8,-56.3 73.7,-55.1 ; 73,-55.1 74,-55.8 ; 73.4,-49.5 74,-49.8 77,-53.4 75.2,-56.5 ; 73.7,-53.9 74.9,-52.6 ; 73.7,-52.8 74.7,-53.9 ; 74,-48.3 71.7,-49.8 70,-55.8 75,-57.9
  lines w0.8: 8.6,-79.2 67.6,-4.8 70,-4.4 71.1,-5.6 ; 9.6,-80.3 90.88,-12.8 ; 71.4,-5.6 72.6,-1.2 88.1,3.1 98.4,2.1 99.3,-2.1 ; 95,-3.2 97.2,-1.2 ; 95.2,-1.3 97.3,-3 ; 100.5,-1.2 101.9,-2.6 ; 100.7,-2.9 102,-1.1
  text "4.7k" at 68.9,-8.2 h0.8
Mechanical 13:
  the board outline again, w0.254

## Dimensions
0,0 to 104,0 on Mechanical 13
0,-110 to 0,0 on Mechanical 13